# Altium PCB Digital_Optical_18Tx_14Tx4Rx2.PcbDoc (part 1 of 2)
Units mm, origin at the board's own origin, x right, y up, seen from the top; angles counter-clockwise.
Board outline 155.99 x 100 mm, 2 copper layers (Top Layer, Bottom Layer); 203 components, 117 nets, 700 pads, 330 vias.
Unrouted connection lines stored in the file: 2.
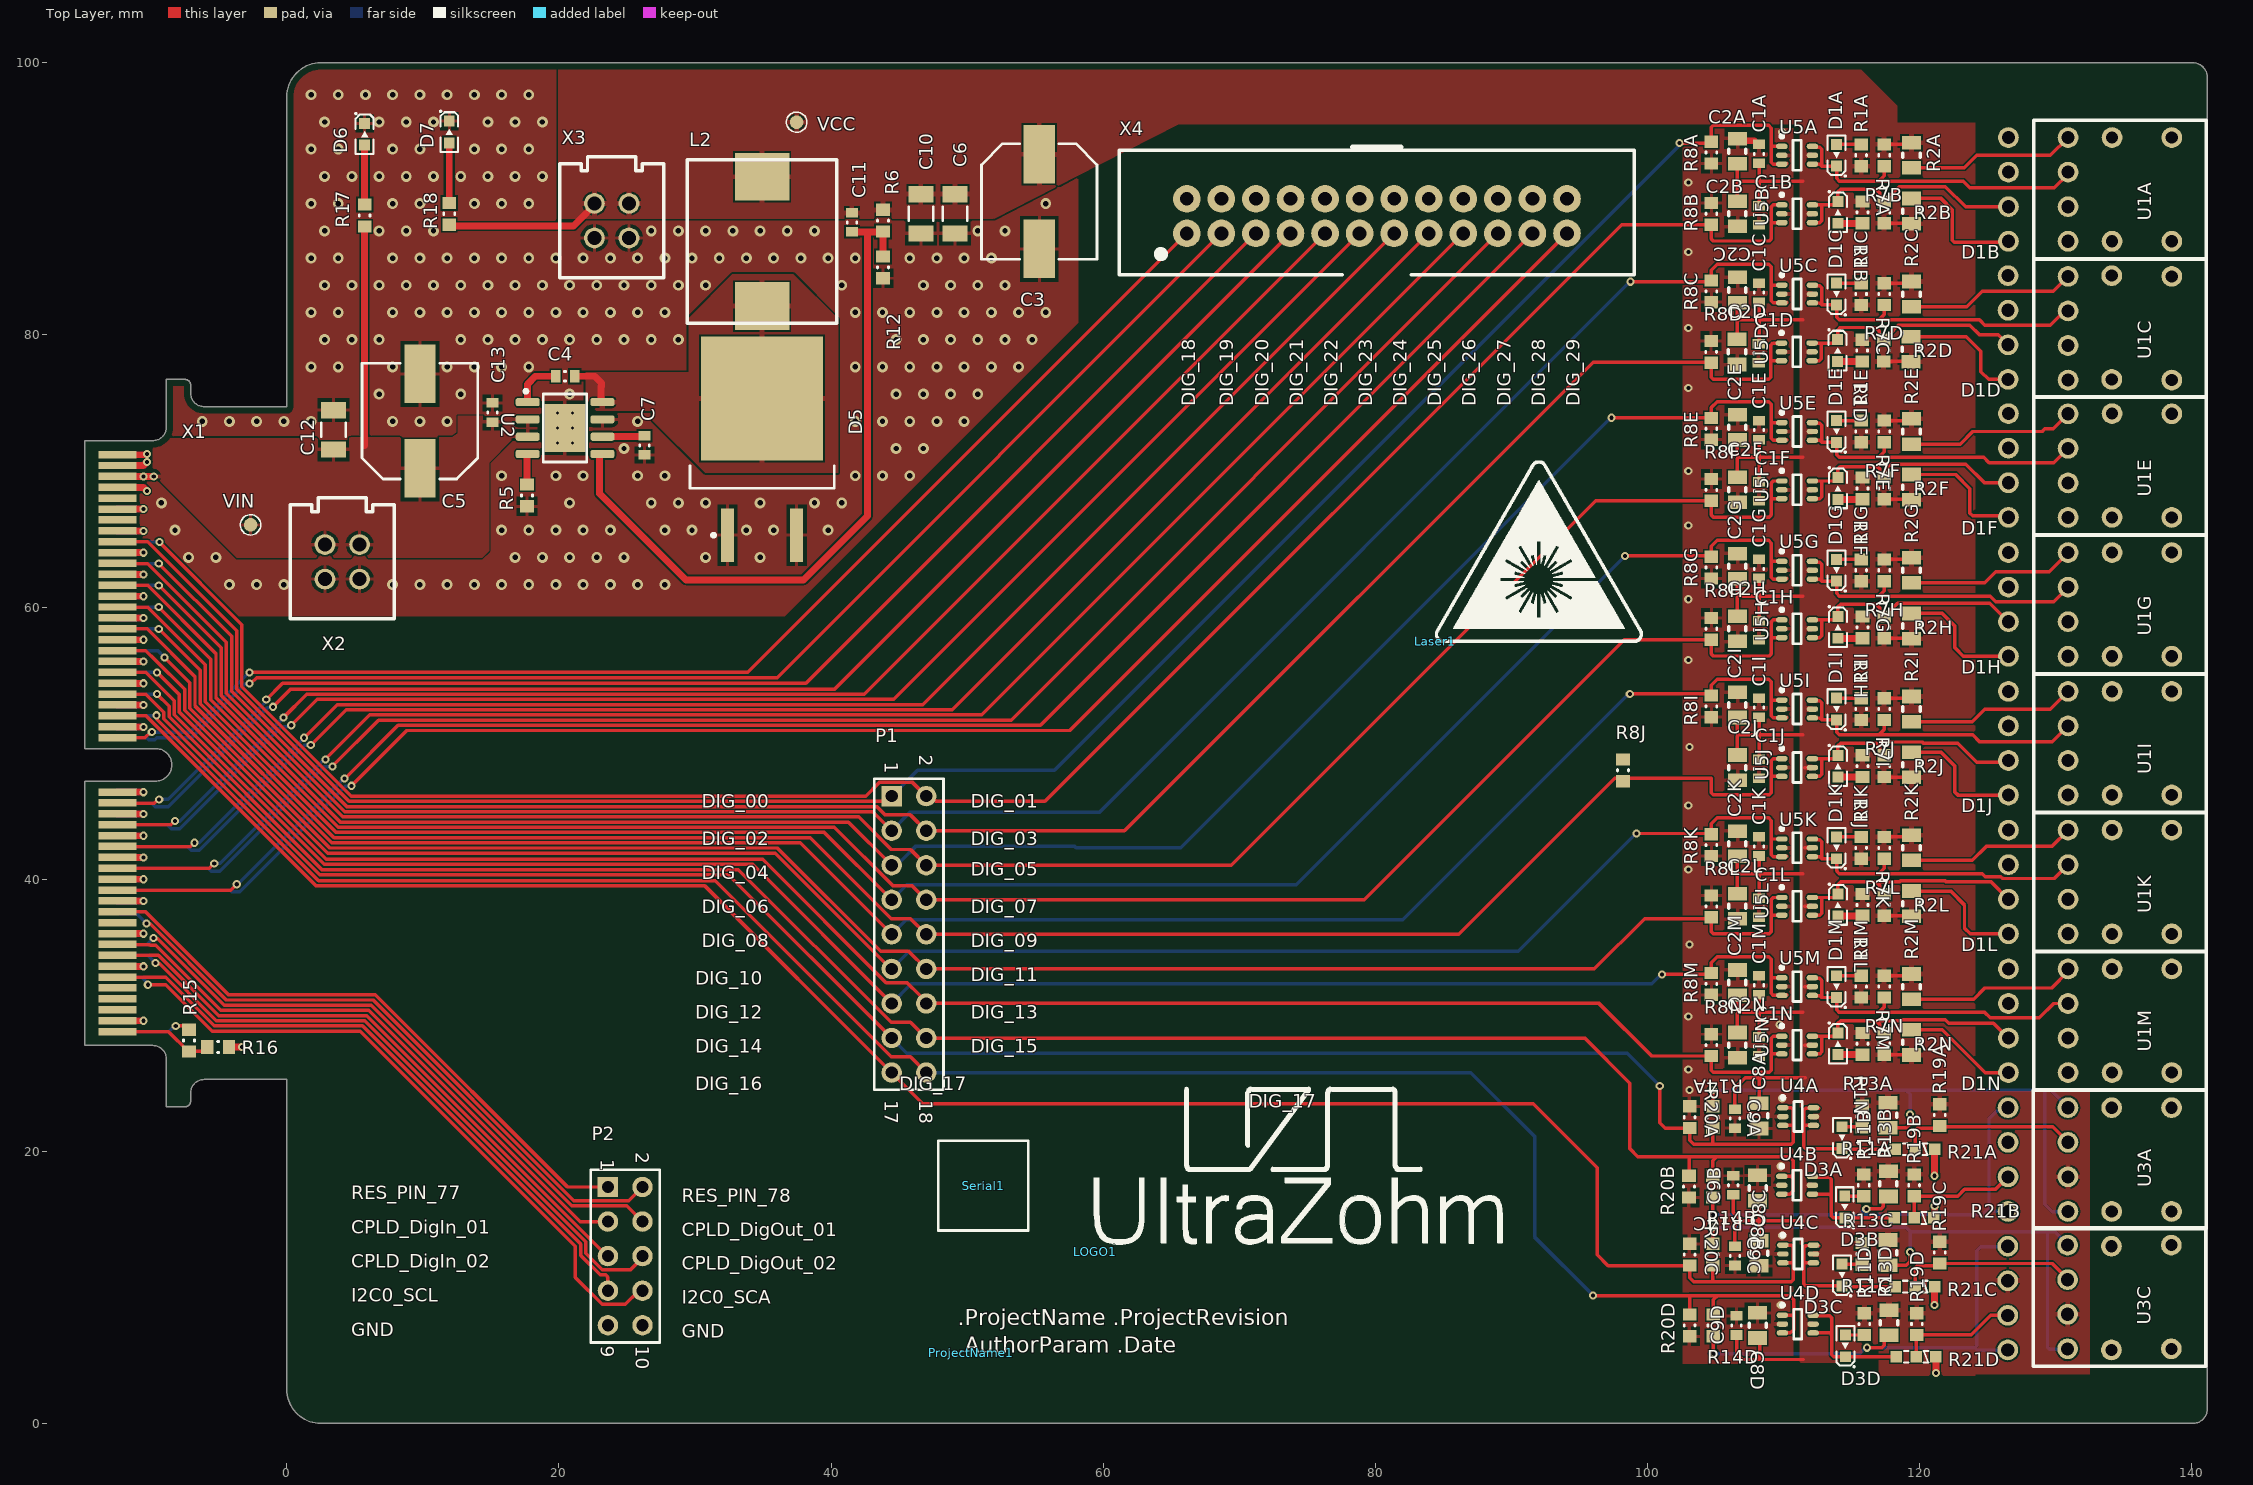
[diagram p0: Top Layer view]
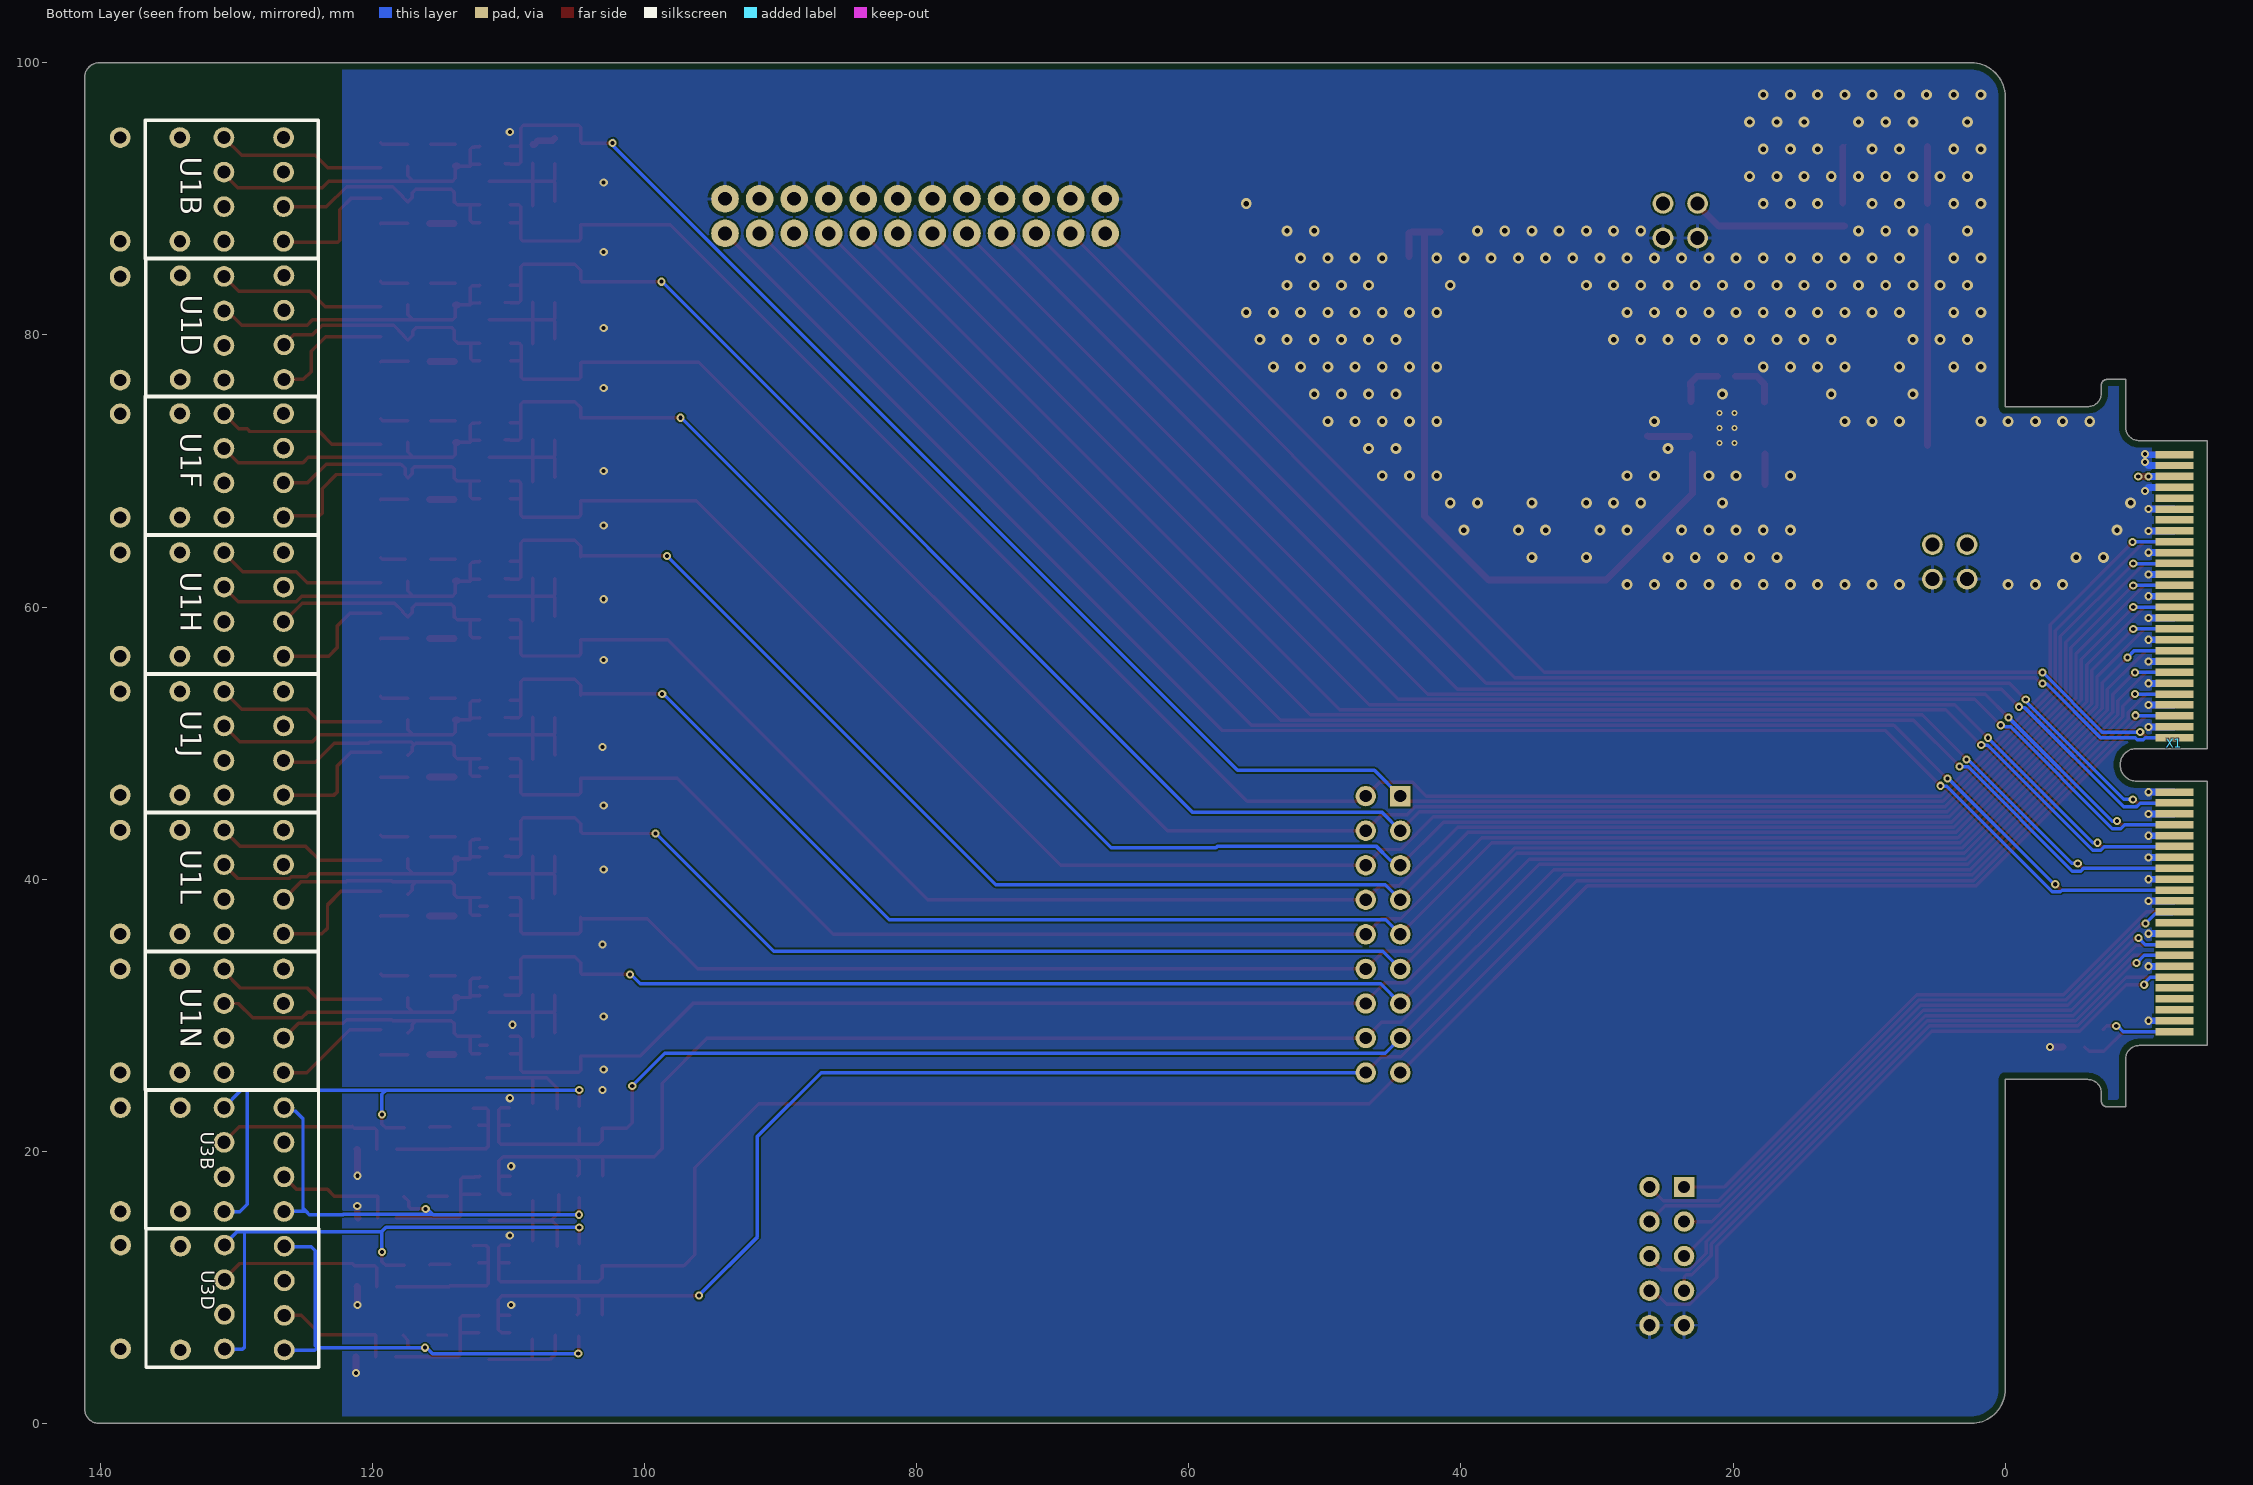
[diagram p1: Bottom Layer view, seen from below]
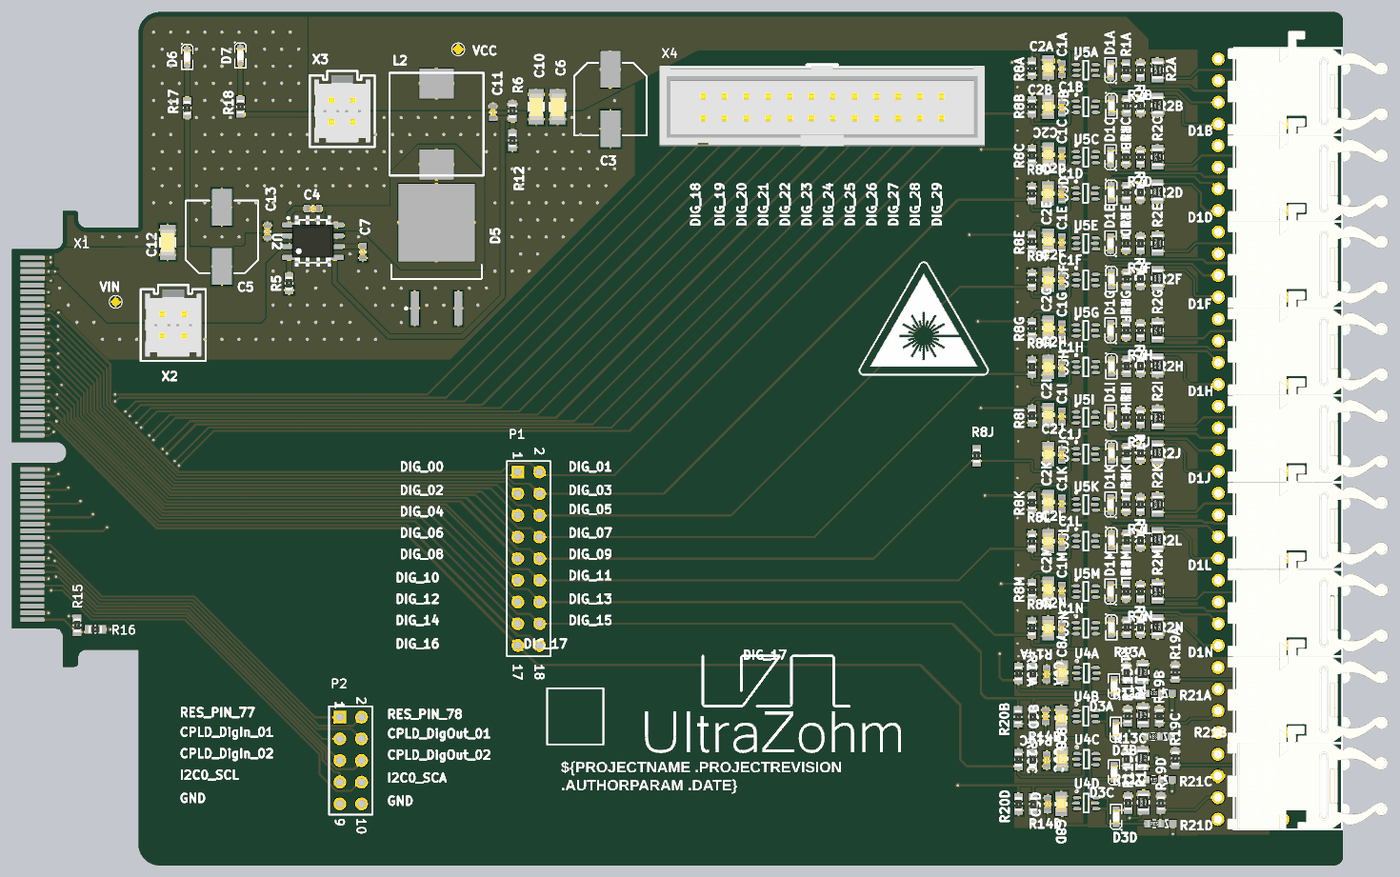
[diagram p3: 3D render of the assembled board from above, using the file's embedded part models]
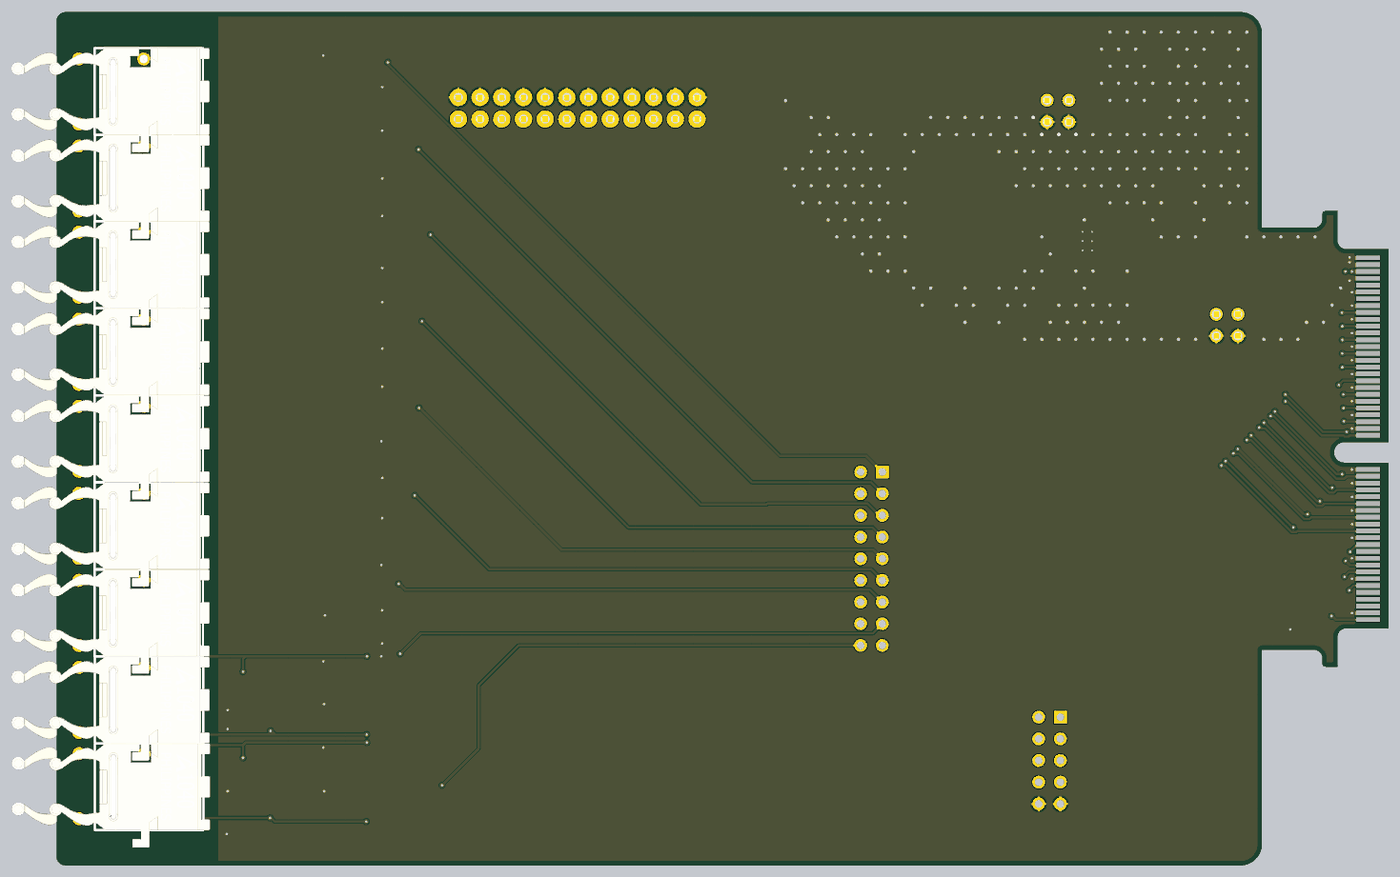
[diagram p4: 3D render of the assembled board from below, using the file's embedded part models]

## Layer stack, top to bottom
Top Solder: solder mask 0.0102, Solder Resist, Dk 3.5
Top Layer: signal copper 0.0356
Dielectric 1: dielectric 0.32, FR-4, Dk 4.8
Bottom Layer: signal copper 0.0356
Bottom Solder: solder mask 0.0102, Solder Resist, Dk 3.5

## Board outline
-14.853,27.775 -9.853,27.775 cw(c-9.853,26.775) -8.853,26.775 -8.853,23.275 -7.473,23.275 ccw(c-7.473,23.675) -7.073,23.675 -7.073,24.275 cw(c-6.073,24.275) -6.073,25.275 0,25.275 0,2.5 ccw(c2.5,2.5) 2.5,0 140,0 ccw(c140.07,1.07) 141.141,1 141.141,99 ccw(c140.07,98.93) 140,100 2.5,100 ccw(c2.5,97.5) 0,97.5 0,74.725 -6.073,74.725 cw(c-6.073,75.725) -7.073,75.725 -7.073,76.325 ccw(c-7.473,76.325) -7.473,76.725 -8.853,76.725 -8.853,73.225 cw(c-9.853,73.225) -9.853,72.225 -14.853,72.225 -14.853,49.6 -9.653,49.6 cw(c-9.653,48.4) -9.653,47.2 -14.853,47.2

## Design rules (kind name [scope] priority, off if disabled: settings)
BoardOutlineClearance [All] p1: gap=0.508 ignorepadtopadclearanceinfootprint=FALSE except(0: Arc-OutlineEdge Arc-CavityEdge Arc-CutoutEdge Arc-SplitBarrior Arc-SplitContinuation Track-OutlineEdge Track-CavityEdge Track-CutoutEdge Track-SplitBarrior Track-SplitContinuation Region-OutlineEdge Region-CavityEdge Region-CutoutEdge Region-SplitBarrior Region-SplitContinuation Text-OutlineEdge Text-CavityEdge Text-CutoutEdge Text-SplitBarrior Text-SplitContinuation)
Clearance [All] p1: gap=0.127 ignorepadtopadclearanceinfootprint=FALSE
HoleSize [All] p1: absolutevalues=TRUE maxlimit=6.3 minlimit=0.2 maxpercent=80.000 minpercent=20.000
MinimumSolderMaskSliver [All] p1: minsoldermaskwidth=0
PolygonConnect PolygonConnect_1 [InNet('VIN')] p1: connectstyle=Relief reliefconductorwidth=0.254 reliefentries=4 polygonreliefangle="90 Angle" airgapwidth=0.254
PolygonConnect PolygonConnect_GND [InNet('GND')] p2: thpad.connectstyle=Relief thpad.reliefconductorwidth=0.254 thpad.reliefentries=4 thpad.polygonreliefangle="90 Angle" thpad.airgapwidth=0.254 smdpad.connectstyle=Relief smdpad.reliefconductorwidth=0.254 smdpad.reliefentries=4 smdpad.polygonreliefangle="90 Angle" smdpad.airgapwidth=0.254 via.connectstyle=Direct via.reliefconductorwidth=0.254 via.reliefentries=4 via.polygonreliefangle="90 Angle" via.airgapwidth=0.254
PolygonConnect [All] p3: connectstyle=Relief reliefconductorwidth=0.381 reliefentries=4 polygonreliefangle="90 Angle" airgapwidth=0.127
RoomDefinition Power [InComponentClass('Power')] p1: confinementstyle=ConfineIn formatcopy=TRUE lockcomponents=FALSE outline -3.821,58.647 60.879,58.647 60.879,96.847 -3.821,96.847
RoomDefinition RX4 [InComponentClass('RX4')] p2: confinementstyle=ConfineIn formatcopy=TRUE lockcomponents=FALSE outline 98.846,9.696 125.146,9.696 125.146,3.696 98.846,3.696
RoomDefinition RX1 [InComponentClass('RX1')] p3: confinementstyle=ConfineIn formatcopy=TRUE lockcomponents=FALSE outline 98.8,24.95 125.075,24.95 125.075,19 98.8,19
RoomDefinition RX2 [InComponentClass('RX2')] p4: confinementstyle=ConfineIn formatcopy=TRUE lockcomponents=FALSE outline 98.8,19.9 125.1,19.9 125.1,13.9 98.8,13.9
RoomDefinition RX3 [InComponentClass('RX3')] p5: confinementstyle=ConfineIn formatcopy=TRUE lockcomponents=FALSE outline 98.8,14.85 125.075,14.85 125.075,8.85 98.8,8.85
RoomDefinition TX_PWM14 [InComponentClass('TX_PWM14')] p6: confinementstyle=ConfineIn formatcopy=TRUE lockcomponents=FALSE outline 103.8,29.9 120.6,29.9 120.6,25.688 103.8,25.688
RoomDefinition TX_PWM5 [InComponentClass('TX_PWM5')] p7: confinementstyle=ConfineIn formatcopy=TRUE lockcomponents=FALSE outline 103.8,75.3 120.6,75.3 120.6,70.7 103.8,70.7
RoomDefinition TX_PWM13 [InComponentClass('TX_PWM13')] p8: confinementstyle=ConfineIn formatcopy=TRUE lockcomponents=FALSE outline 103.8,34.5 120.6,34.5 120.6,29.9 103.8,29.9
RoomDefinition TX_PWM12 [InComponentClass('TX_PWM12')] p9: confinementstyle=ConfineIn formatcopy=TRUE lockcomponents=FALSE outline 103.8,40.1 120.6,40.1 120.6,35.888 103.8,35.888
RoomDefinition TX_PWM9 [InComponentClass('TX_PWM9')] p10: confinementstyle=ConfineIn formatcopy=TRUE lockcomponents=FALSE outline 103.8,54.9 120.6,54.9 120.6,50.3 103.8,50.3
RoomDefinition TX_PWM11 [InComponentClass('TX_PWM11')] p11: confinementstyle=ConfineIn formatcopy=TRUE lockcomponents=FALSE outline 103.8,44.7 120.6,44.7 120.6,40.1 103.8,40.1
RoomDefinition TX_PWM8 [InComponentClass('TX_PWM8')] p12: confinementstyle=ConfineIn formatcopy=TRUE lockcomponents=FALSE outline 103.8,60.5 120.6,60.5 120.6,56.288 103.8,56.288
RoomDefinition TX_PWM7 [InComponentClass('TX_PWM7')] p13: confinementstyle=ConfineIn formatcopy=TRUE lockcomponents=FALSE outline 103.8,65.1 120.6,65.1 120.6,60.5 103.8,60.5
RoomDefinition TX_PWM10 [InComponentClass('TX_PWM10')] p14: confinementstyle=ConfineIn formatcopy=TRUE lockcomponents=FALSE outline 103.8,50.3 120.6,50.3 120.6,46.088 103.8,46.088
RoomDefinition TX_PWM6 [InComponentClass('TX_PWM6')] p15: confinementstyle=ConfineIn formatcopy=TRUE lockcomponents=FALSE outline 103.8,70.712 120.6,70.712 120.6,66.5 103.8,66.5
RoomDefinition TX_PWM2 [InComponentClass('TX_PWM2')] p16: confinementstyle=ConfineIn formatcopy=TRUE lockcomponents=FALSE outline 103.8,91 120.6,91 120.6,86.788 103.8,86.788
RoomDefinition TX_PWM1 [InComponentClass('TX_PWM1')] p17: confinementstyle=ConfineIn formatcopy=TRUE lockcomponents=FALSE outline 103.8,95.6 120.6,95.6 120.6,91 103.8,91
RoomDefinition TX_PWM3 [InComponentClass('TX_PWM3')] p18: confinementstyle=ConfineIn formatcopy=TRUE lockcomponents=FALSE outline 103.8,85.4 120.6,85.4 120.6,80.8 103.8,80.8
RoomDefinition TX_PWM4 [InComponentClass('TX_PWM4')] p19: confinementstyle=ConfineIn formatcopy=TRUE lockcomponents=FALSE outline 103.775,80.85 120.575,80.85 120.575,76.638 103.775,76.638
RoutingVias [All] p1: holewidth=0.3 width=0.6 viastyle="Through Hole" minholewidth=0.3 minwidth=0.6 maxholewidth=0.4 maxwidth=0.8
SMDToPlane [All] p1 off: distance=0
SilkToSilkClearance [All] p1: silktosilkclearance=0
SilkToSolderMaskClearance [IsPad] p1: minsilkscreentomaskgap=0 clearancetoexposedcopper=TRUE
SolderMaskExpansion [All] p1: expansion=0.102 istentingtop=FALSE
Width Width_PWR [InNet('VCC') or InNet('GND') or InNet('VIN')] p1: maxlimit=0.762 minlimit=0.127 preferedwidth=0.508
Width [All] p2: maxlimit=0.762 minlimit=0.127 preferedwidth=0.254 minimp=50.000000 maximp=50.000000 favimp=50.000000
26 further rules are at their usual default settings.

## Classes and differential pairs
net class Signal_A[15..18]: Signal_A15 Signal_A16 Signal_A17 Signal_A18
component class TX_PWM14: C1N C2N D1N R1N R2N R7N R8N U1N U5N
component class TX_PWM13: C1M C2M D1M R1M R2M R7M R8M U1M U5M
component class TX_PWM12: C1L C2L D1L R1L R2L R7L R8L U1L U5L
component class TX_PWM11: C1K C2K D1K R1K R2K R7K R8K U1K U5K
component class TX_PWM10: C1J C2J D1J R1J R2J R7J R8J U1J U5J
component class TX_PWM9: C1I C2I D1I R1I R2I R7I R8I U1I U5I
component class TX_PWM8: C1H C2H D1H R1H R2H R7H R8H U1H U5H
component class RX4: C8D C9D D3D R11D R13D R14D R19D R20D R21D U3D U4D
component class RX3: C8C C9C D3C R11C R13C R14C R19C R20C R21C U3C U4C
component class Connector: P2 R3* R15 R16 X1
component class Power: C3 C4 C5 C6 C7 C10 C11 C12 C13 D5 D6 D7 L2 R3* R5 R6 R12 R17 R18 U2 VCC VIN X2
component class RX1: C8A C9A D3A R3* R11A R13A R14A R19A R20A R21A U3A U4A
component class RX2: C8B C9B D3B R3* R11B R13B R14B R19B R20B R21B U3B U4B
component class TopSheet: Laser1 LOGO1 P1 ProjectName1 R3* Serial1 X3 X4
net class GATE_A[1..14]: GATE_A1 GATE_A2 GATE_A3 GATE_A4 GATE_A5 GATE_A6 GATE_A7 GATE_A8 GATE_A9 GATE_A10 GATE_A11 GATE_A12 GATE_A13 GATE_A14
channel class Optical_RX: RX1 RX2 RX3
component class TX_PWM1: C1A C2A D1A R1A R2A R3* R7A R8A U1A U5A
component class TX_PWM2: C1B C2B D1B R1B R2B R3* R7B R8B U1B U5B
component class TX_PWM3: C1C C2C D1C R1C R2C R3* R7C R8C U1C U5C
component class TX_PWM4: C1D C2D D1D R1D R2D R3* R7D R8D U1D U5D
component class TX_PWM5: C1E C2E D1E R1E R2E R3* R7E R8E U1E U5E
component class TX_PWM6: C1F C2F D1F R1F R2F R3* R7F R8F U1F U5F
component class TX_PWM7: C1G C2G D1G R1G R2G R3* R7G R8G U1G U5G
channel class Optical_TX: TX_PWM1 TX_PWM2 TX_PWM3 TX_PWM4 TX_PWM5 TX_PWM6 TX_PWM7 TX_PWM8
